# KiCad board cm4-baseboard.kicad_pcb
title: CM4 Baseboard; date: 2026-01-05; rev: 1.1.1; company: Antmicro Ltd; note: www.antmicro.com
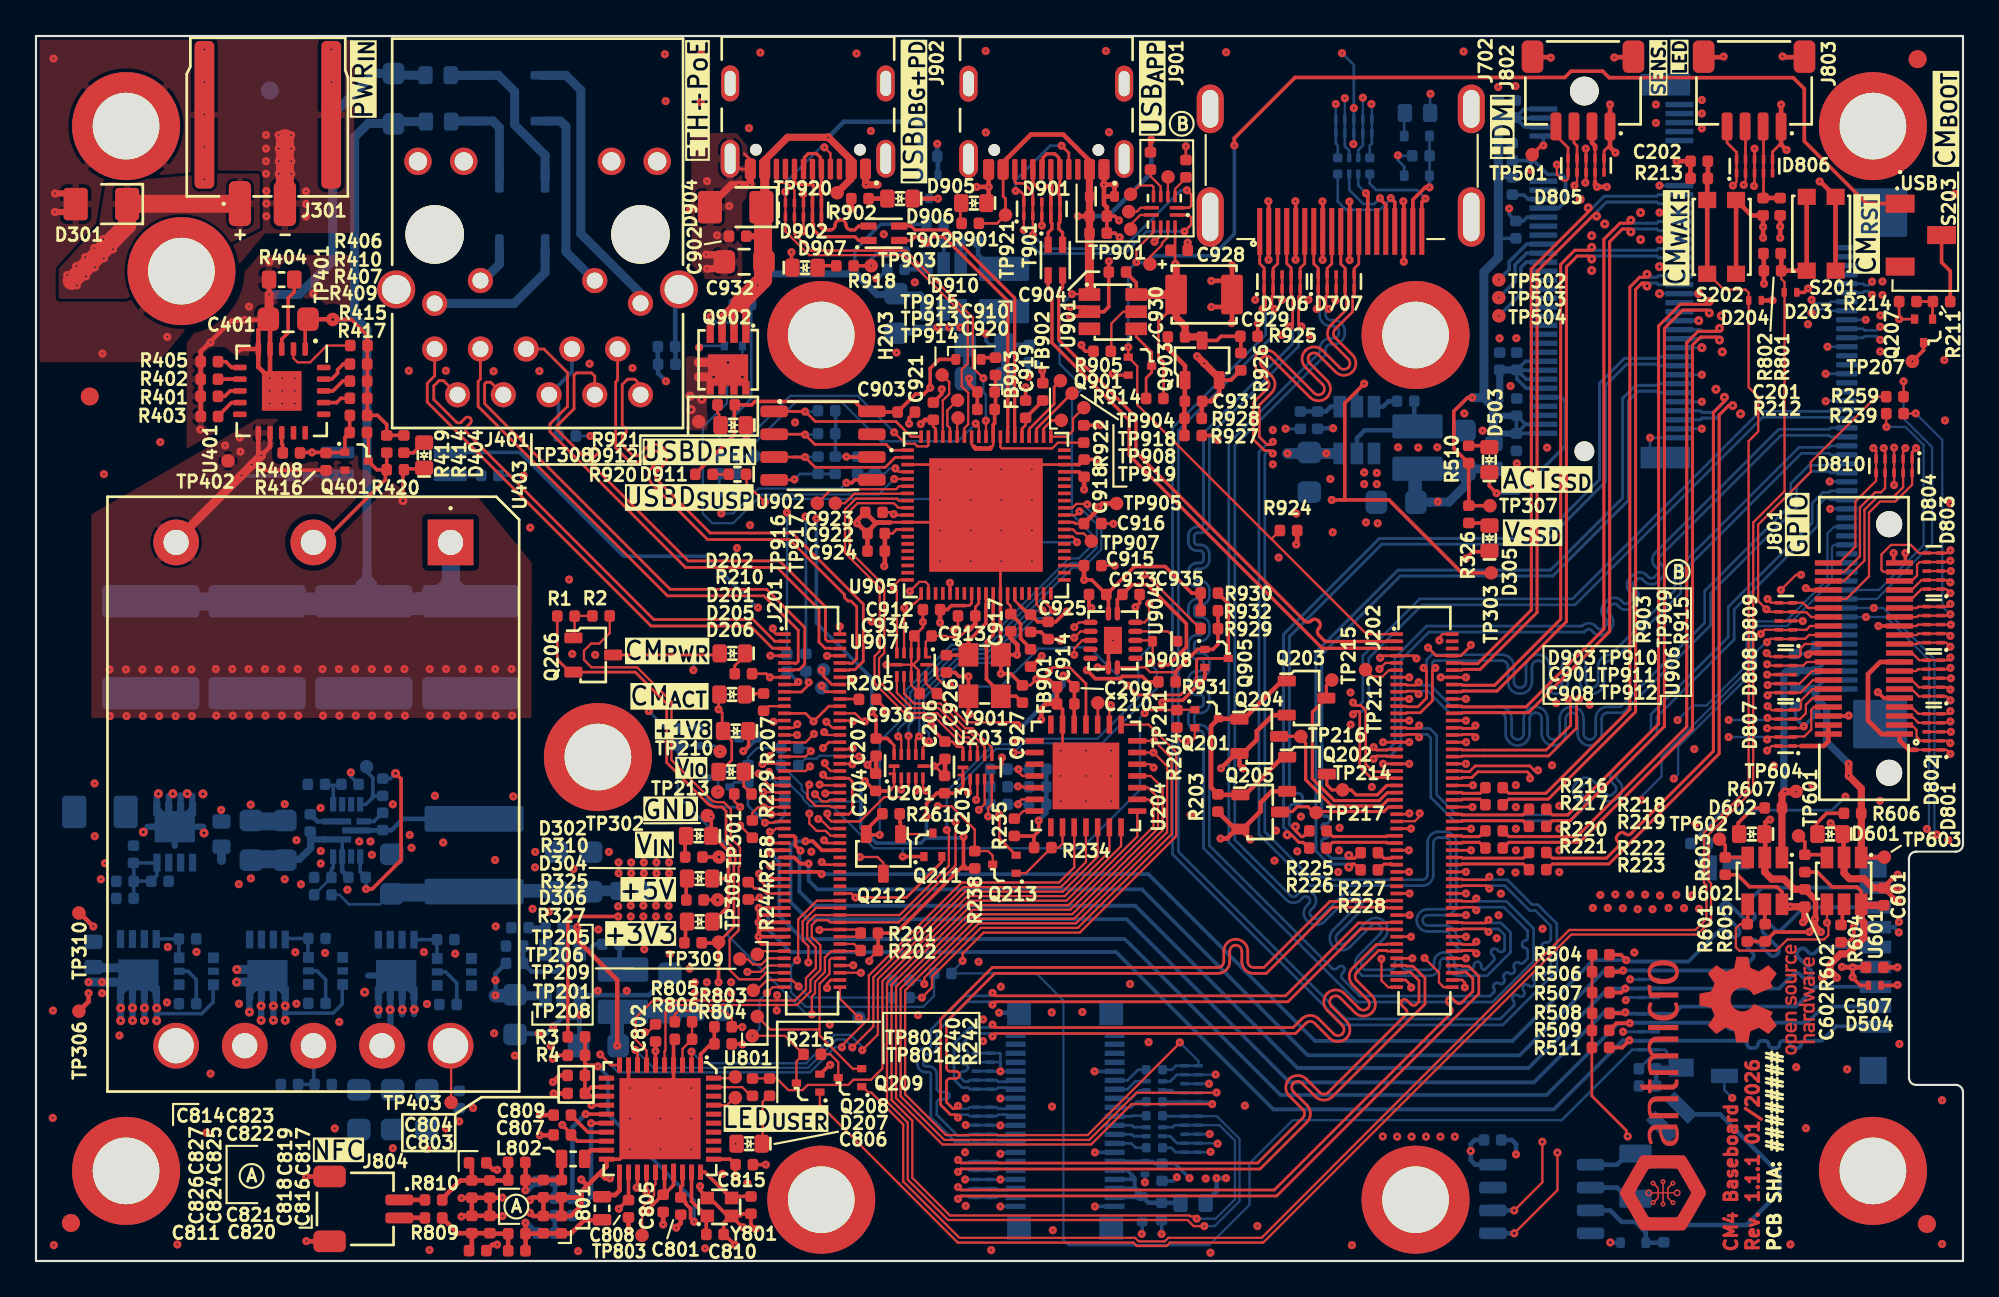
[diagram p0: board, top side]
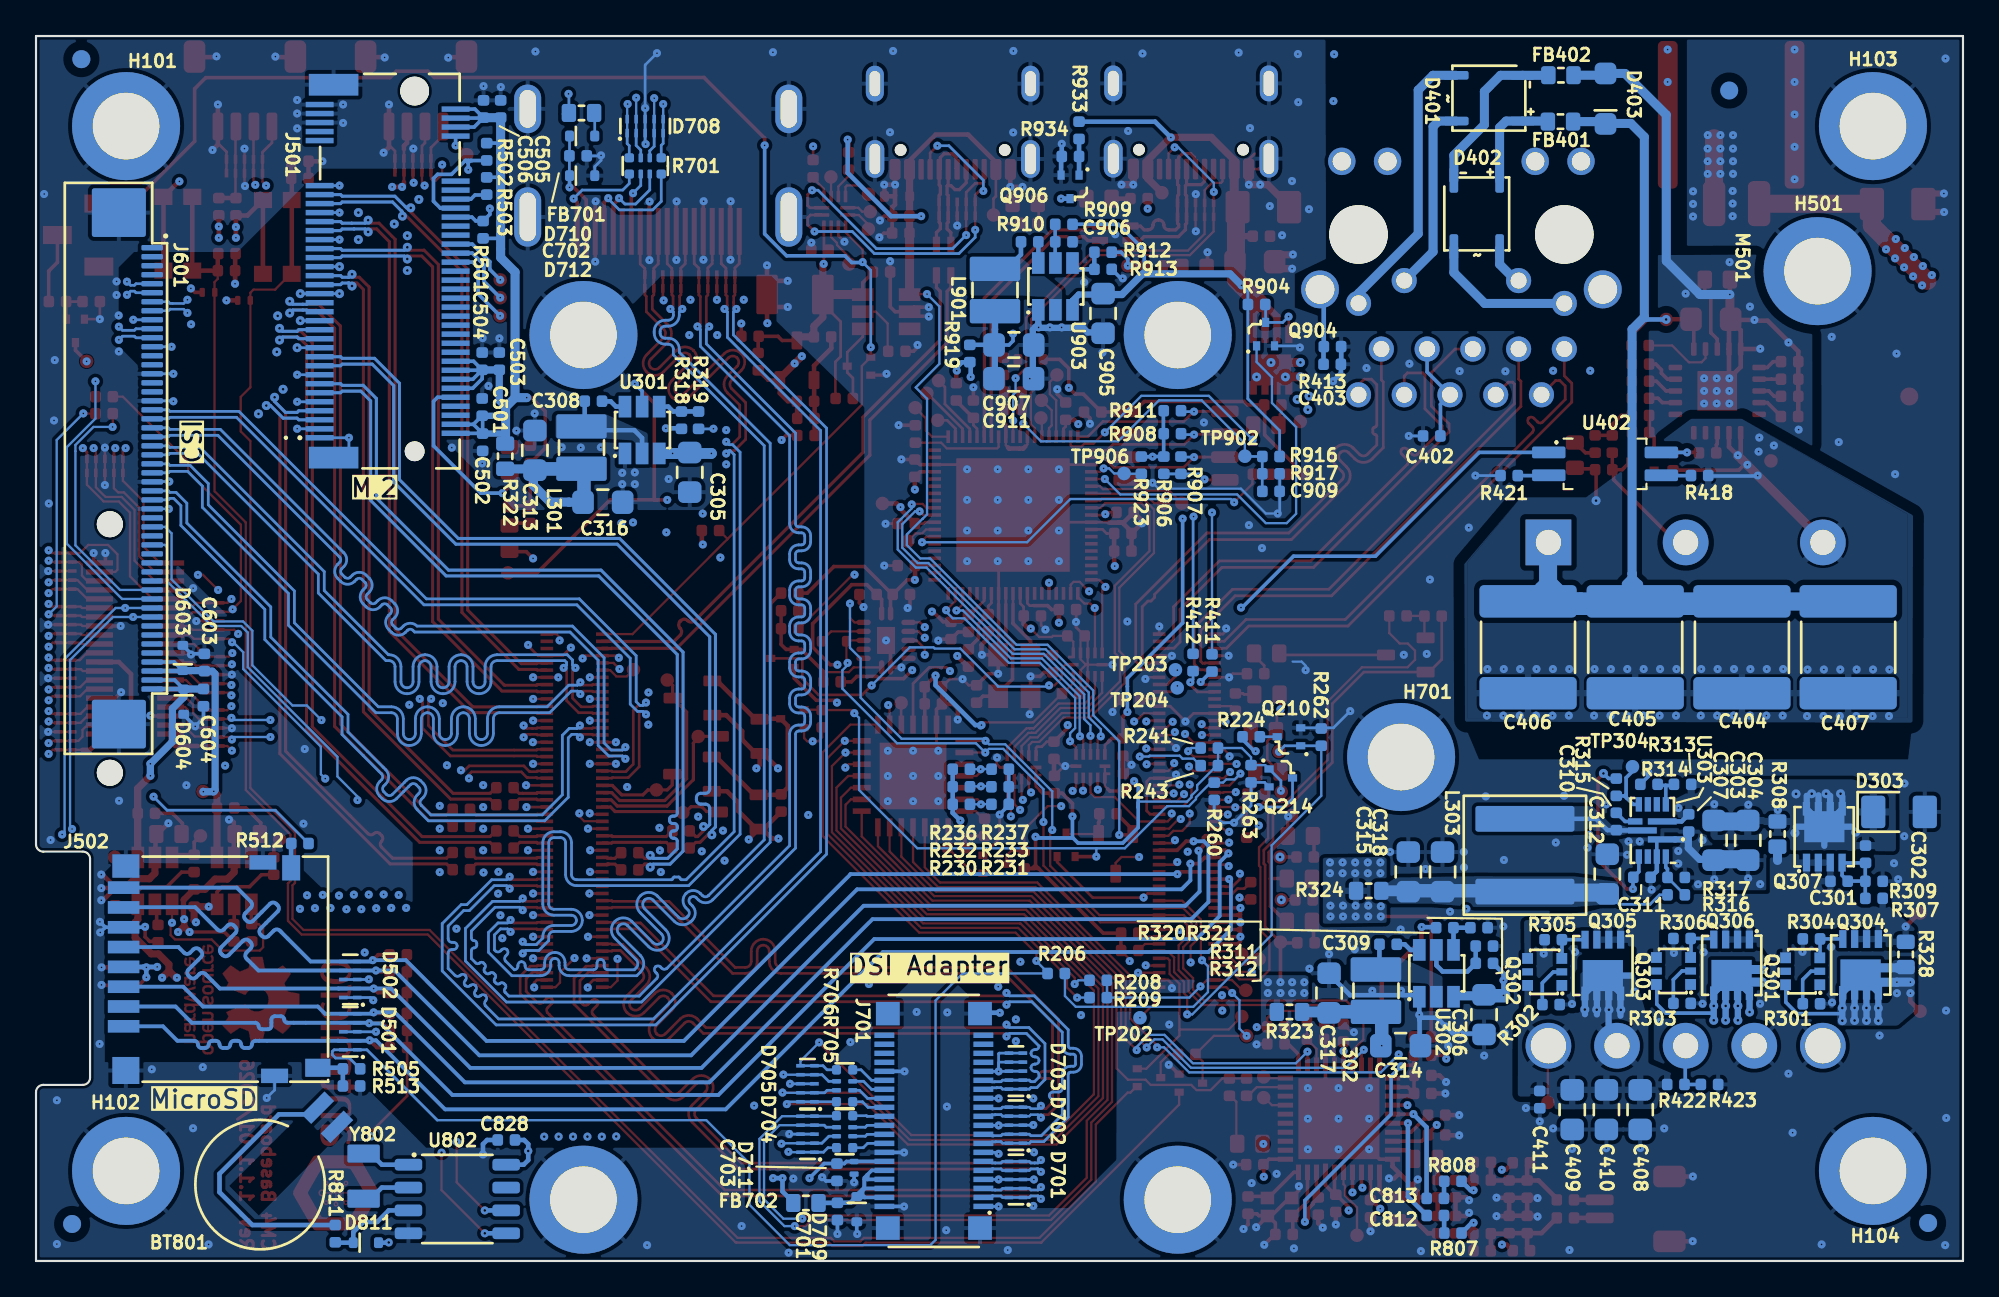
[diagram p1: board, bottom side, seen from below]

Outline 107 x 68 mm; copper layers: Top, In1.Cu (plane), In2.Cu (plane), In3.Cu, In4.Cu, Bottom. Coordinates in mm from the lower left corner of the outline.
Outline path: 0,68 107,68 107,23.12 arc(106.88,22.84) 106.6,22.72 104.4,22.72 arc(104.12,22.61) 104,22.32 104,10.17 arc(104.12,9.89) 104.4,9.78 106.6,9.78 arc(106.88,9.66) 107,9.38 107,0 0,0 0,68
Stack: Top 0.035mm / dielectric 0.12mm PR2116 er 4.2 / In1.Cu 0.035mm / dielectric 0.51mm FR4-Improved er 4.5 / In2.Cu 0.035mm / dielectric 0.07mm PR1080 er 4.2 / dielectric 0.07mm PR1080 er 4.2 / In3.Cu 0.035mm / dielectric 0.51mm FR4-Improved er 4.5 / In4.Cu 0.035mm / dielectric 0.12mm PR2116 er 4.2 / Bottom 0.035mm

## Placement (name value [footprint] x y rotation side)
BT801  Battery_Holder_MS621FE-FL11E  [MS621FE-FL11E]  93.68 5.12 225 bottom
C201  C_100n_0402  [C_0402_1005Metric]  96.4 55.92 0 top
C202  C_100n_0402  [C_0402_1005Metric]  92.35 61.05 0 top
C203  C_100n_0402  [C_0402_1005Metric]  50.45 26.45 270 top
C204  C_100n_0402  [C_0402_1005Metric]  46.62 26.57 270 top
C206  C_100n_0402  [C_0402_1005Metric]  50.47 28.35 90 top
C207  C_100n_0402  [C_0402_1005Metric]  46.65 28.53 90 top
C209  C_10u_0402  [C_0402_1005Metric]  57.17 31.88 0 top
C210  C_100n_0402  [C_0402_1005Metric]  57.17 30.92 0 top
C301  C_1u_25V_0402  [C_0402_1005Metric]  6.88 21.08 0 bottom
C302  C_100n_0402  [C_0402_1005Metric]  5.41 22.58 90 bottom
C303  C_22u_25V_0805  [C_0805_2012Metric]  13.82 23.35 270 bottom
C304  C_22u_25V_0805  [C_0805_2012Metric]  11.95 23.35 270 bottom
C305  C_22u_25V_0805  [C_0805_2012Metric]  70.7 43.78 270 bottom
C306  C_22u_25V_0805  [C_0805_2012Metric]  26.59 13.67 270 bottom
C307  C_100n_0402  [C_0402_1005Metric]  15.23 24.32 270 bottom
C308  C_100n_0402  [C_0402_1005Metric]  76.05 47.73 180 bottom
C309  C_100n_0402  [C_0402_1005Metric]  31.92 17.58 180 bottom
C310  C_100n_0402  [C_0402_1005Metric]  19.25 24.4 90 bottom
C311  C_1u_0402  [C_0402_1005Metric]  17.82 21.3 0 bottom
C312  C_22u_25V_0805  [C_0805_2012Metric]  19.75 21.48 90 bottom
C313  C_22u_25V_0805  [C_0805_2012Metric]  79.3 45 90 bottom
C314  C_22u_25V_0805  [C_0805_2012Metric]  31.22 11.95 180 bottom
C315  C_22u_25V_0805  [C_0805_2012Metric]  30.8 21.6 90 bottom
C316  C_22u_25V_0805  [C_0805_2012Metric]  75.52 42.12 180 bottom
C317  C_22u_25V_0805  [C_0805_2012Metric]  35.2 14.88 90 bottom
C318  C_22u_25V_0805  [C_0805_2012Metric]  28.9 21.6 90 bottom
C401  C_100n_100V_0805  [C_0805_2012Metric]  14 52.28 0 top
C402  C_10n_0402  [C_0402_1005Metric]  29.5 45.8 0 bottom
C403  C_100n_0402  [C_0402_1005Metric]  35.02 49.78 180 bottom
C404  C_22u_100V_2220  [C_2220_5650Metric]  12.27 34.07 90 bottom
C405  C_22u_100V_2220  [C_2220_5650Metric]  18.2 34.07 90 bottom
C406  C_22u_100V_2220  [C_2220_5650Metric]  24.15 34.07 90 bottom
C407  C_22u_100V_2220  [C_2220_5650Metric]  6.38 34.07 90 bottom
C408  C_22u_25V_0805  [C_0805_2012Metric]  17.92 8.4 270 bottom
C409  C_22u_25V_0805  [C_0805_2012Metric]  21.7 8.4 270 bottom
C410  C_22u_25V_0805  [C_0805_2012Metric]  19.8 8.4 270 bottom
C411  C_100n_0402  [C_0402_1005Metric]  23.5 8.96 270 bottom
C501  C_10u_0402  [C_0402_1005Metric]  82.22 47.4 270 bottom
C502  C_1u_0402  [C_0402_1005Metric]  82.2 45.45 90 bottom
C503  C_10u_0402  [C_0402_1005Metric]  81.27 49.95 270 bottom
C504  C_1u_0402  [C_0402_1005Metric]  82.22 49.95 270 bottom
C505  C_10u_0402  [C_0402_1005Metric]  81.2 63.95 270 bottom
C506  C_1u_0402  [C_0402_1005Metric]  82.15 63.95 270 bottom
C507  C_1u_0402  [C_0402_1005Metric]  102.1 16.3 180 top
C601  C_100n_0402  [C_0402_1005Metric]  102.6 20.22 90 top
C602  C_100n_0402  [C_0402_1005Metric]  98.22 20.15 90 top
C603  C_1u_0402  [C_0402_1005Metric]  97.65 33.22 270 bottom
C604  C_1u_0402  [C_0402_1005Metric]  97.7 31.28 90 bottom
C701  C_10u_0402  [C_0402_1005Metric]  62.5 2.75 90 bottom
C702  C_10u_0402  [C_0402_1005Metric]  76.9 61.35 0 bottom
C703  C_10u_0402  [C_0402_1005Metric]  62.52 4.92 90 bottom
C801  C_4u7_0402  [C_0402_1005Metric]  35.8 3.05 90 top
C802  C_1u_0402  [C_0402_1005Metric]  34.4 12.66 270 top
C803  C_4u7_0402  [C_0402_1005Metric]  30 9.3 0 top
C804  C_100n_0402  [C_0402_1005Metric]  30 10.3 180 top
C805  C_2u2_0402  [C_0402_1005Metric]  34.83 3.2 270 top
C806  C_2u2_0402  [C_0402_1005Metric]  39.33 5.35 0 top
C807  C_2u2_0402  [C_0402_1005Metric]  29.22 7 180 top
C808  C_2u2_0402  [C_0402_1005Metric]  32.9 2.9 270 top
C809  C_100n_0402  [C_0402_1005Metric]  29.22 8.1 180 top
C810  C_10p_0402  [C_0402_1005Metric]  37.7 1.47 180 top
C811  C_12p_0402  [C_0402_1005Metric]  24.52 0.57 180 top
C812  C_1n_0402  [C_0402_1005Metric]  29.3 2.53 180 bottom
C813  C_1n_0402  [C_0402_1005Metric]  29.3 3.47 180 bottom
C814  C_12p_0402  [C_0402_1005Metric]  24.52 5.45 180 top
C815  C_10p_0402  [C_0402_1005Metric]  39.7 3.1 90 top
C816  C_template_name_0402  [C_0402_1005Metric]  29.17 2.02 270 top  (not fitted)
C817  C_template_name_0402  [C_0402_1005Metric]  29.17 4.02 270 top  (not fitted)
C818  C_470p_100V_0402  [C_0402_1005Metric]  28.17 2.02 270 top
C819  C_470p_100V_0402  [C_0402_1005Metric]  28.17 4.02 270 top
C820  C_template_name_0402  [C_0402_1005Metric]  26.7 0.57 0 top  (not fitted)
C821  C_36p_0402  [C_0402_1005Metric]  26.7 1.52 180 top
C822  C_36p_0402  [C_0402_1005Metric]  26.7 4.49 180 top
C823  C_template_name_0402  [C_0402_1005Metric]  26.69 5.47 0 top  (not fitted)
C824  C_39p_0402  [C_0402_1005Metric]  25.2 2.03 270 top
C825  C_39p_0402  [C_0402_1005Metric]  25.2 3.99 270 top
C826  C_template_name_0402  [C_0402_1005Metric]  24.2 2.03 270 top  (not fitted)
C827  C_template_name_0402  [C_0402_1005Metric]  24.2 3.99 270 top  (not fitted)
C828  C_100n_0402  [C_0402_1005Metric]  80.88 6.72 0 bottom
C901  C_100n_0402  [C_0402_1005Metric]  58.98 58 0 top
C902  C_100n_0402  [C_0402_1005Metric]  38.96 56.89 0 top
C903  C_100n_0402  [C_0402_1005Metric]  48.33 47.12 0 top
C904  C_100n_0402  [C_0402_1005Metric]  60.05 54.9 180 top
C905  C_22u_25V_0805  [C_0805_2012Metric]  47.75 52.6 270 bottom
C906  C_100n_0402  [C_0402_1005Metric]  51.83 56.58 180 bottom
C907  C_22u_25V_0805  [C_0805_2012Metric]  52.7 50.85 180 bottom
C908  C_10u_0402  [C_0402_1005Metric]  58.98 57.06 180 top
C909  C_100n_0402  [C_0402_1005Metric]  38.42 42.72 180 bottom
C910  C_100n_0402  [C_0402_1005Metric]  52.75 48.24 180 top
C911  C_22u_25V_0805  [C_0805_2012Metric]  52.71 48.98 180 bottom
C912  C_100n_0402  [C_0402_1005Metric]  49.72 36.16 180 top
C913  C_100n_0402  [C_0402_1005Metric]  51.67 35.81 180 top
C914  C_100n_0402  [C_0402_1005Metric]  55.22 35.4 270 top
C915  C_100n_0402  [C_0402_1005Metric]  58.67 38.6 0 top
C916  C_100n_0402  [C_0402_1005Metric]  58.67 40.93 0 top
C917  C_100n_0402  [C_0402_1005Metric]  54.12 35.43 270 top
C918  C_100n_0402  [C_0402_1005Metric]  58.2 44.01 90 top
C919  C_100n_0402  [C_0402_1005Metric]  54.95 47.28 90 top
C920  C_100n_0402  [C_0402_1005Metric]  52.75 47.27 180 top
C921  C_100n_0402  [C_0402_1005Metric]  49.83 47.17 90 top
C922  C_100n_0402  [C_0402_1005Metric]  46.65 40.38 180 top
C923  C_100n_0402  [C_0402_1005Metric]  46.52 41.56 180 top
C924  C_4u7_0402  [C_0402_1005Metric]  46.65 39.41 0 top
C925  C_4u7_0402  [C_0402_1005Metric]  56.2 35 270 top
C926  C_18p_0402  [C_0402_1005Metric]  50.55 33.15 270 top
C927  C_18p_0402  [C_0402_1005Metric]  54.77 31.47 90 top
C928  C_100n_0402  [C_0402_1005Metric]  63.47 56.11 0 top
C929  C_Pol_330u_6.3V_KEMET-T520-B  [C_Pol_EIA-B]  64.86 53.65 0 top
C930  C_100n_0402  [C_0402_1005Metric]  63.33 51.3 0 top
C931  C_1u_25V_0402  [C_0402_1005Metric]  64.27 47.72 0 top
C932  C_22u_25V_0805  [C_0805_2012Metric]  39.32 55.47 180 top
C933  C_100n_0402  [C_0402_1005Metric]  58.95 37 0 top
C934  C_100n_0402  [C_0402_1005Metric]  49.25 34.7 0 top
C935  C_100n_0402  [C_0402_1005Metric]  60.8 37 180 top
C936  C_100n_0402  [C_0402_1005Metric]  49.55 31.5 0 top
D201  LED_G_0603_KP-1608CGCK  [LED_0603_1608Metric_G]  38.65 31.45 180 top
D202  LED_G_0603_KP-1608CGCK  [LED_0603_1608Metric_G]  38.67 33.73 180 top
D203  TPD1E0B04_XDFN-2  [XDFN-2_1x0.60mm]  97.42 53.77 180 top
D204  TPD1E0B04_XDFN-2  [XDFN-2_1x0.60mm]  95.45 53.33 180 top
D205  LED_G_0603_KP-1608CGCK  [LED_0603_1608Metric_G]  38.85 29.42 180 top
D206  LED_G_0603_KP-1608CGCK  [LED_0603_1608Metric_G]  38.6 27.16 180 top
D207  LED_G_0603_KP-1608CGCK  [LED_0603_1608Metric_G]  39.6 6.51 180 top  (not fitted)
D301  SMF4L15A  [SOD-123FL]  3.63 58.67 180 top
D302  LED_G_0603_KP-1608CGCK  [LED_0603_1608Metric_G]  36.8 23.59 180 top
D303  SMF4L15A  [SOD-123FL]  3.55 24.93 180 bottom
D304  LED_G_0603_KP-1608CGCK  [LED_0603_1608Metric_G]  36.85 21.23 180 top
D305  LED_G_0603_KP-1608CGCK  [LED_0603_1608Metric_G]  80.71 40.12 90 top
D306  LED_G_0603_KP-1608CGCK  [LED_0603_1608Metric_G]  36.85 18.84 180 top
D401  CD-MMBL110S  [DFN3538]  26.3 64.55 270 bottom
D402  CD-MMBL110S  [DFN3538]  27 58.15 180 bottom
D403  PTVS58VS1UR,115  [D_SOD-123F]  19.85 64.52 90 bottom
D404  LED_G_0603_KP-1608CGCK  [LED_0603_1608Metric_G]  21.55 44.73 90 top
D501  PUSB3F96X_PASS  [Nexperia_DFN-10_2.5x1mm_P0.5mm]  89.55 12.72 90 bottom
D502  PUSB3F96X_PASS  [Nexperia_DFN-10_2.5x1mm_P0.5mm]  89.55 15.62 90 bottom
D503  LED_G_0603_KP-1608CGCK  [LED_0603_1608Metric_G]  80.7 44.47 90 top
D504  TPD1E0B04_XDFN-2  [XDFN-2_1x0.60mm]  102.1 15.3 180 top
D601  LED_G_0603_KP-1608CGCK  [LED_0603_1608Metric_G]  99.62 23.7 180 top
D602  LED_G_0603_KP-1608CGCK  [LED_0603_1608Metric_G]  95.27 23.7 180 top
D603  PESD5Z5_0F  [SOD-523]  98.85 33.47 90 bottom
D604  PESD5Z5_0F  [SOD-523]  98.8 31.05 270 bottom
D701  PUSB3F96X_PASS  [Nexperia_DFN-10_2.5x1mm_P0.5mm]  52.59 4.53 90 bottom
D702  PUSB3F96X_PASS  [Nexperia_DFN-10_2.5x1mm_P0.5mm]  52.59 7.54 90 bottom
D703  PUSB3F96X_PASS  [Nexperia_DFN-10_2.5x1mm_P0.5mm]  52.59 10.54 90 bottom
D704  PUSB3F96X_PASS  [Nexperia_DFN-10_2.5x1mm_P0.5mm]  64.16 7.04 90 bottom
D705  PUSB3F96X_PASS  [Nexperia_DFN-10_2.5x1mm_P0.5mm]  64.16 9.84 90 bottom
D706  PUSB3F96X_PASS  [Nexperia_DFN-10_2.5x1mm_P0.5mm]  69.19 54.37 0 top
D707  PUSB3F96X_PASS  [Nexperia_DFN-10_2.5x1mm_P0.5mm]  72.19 54.38 0 top
D708  PUSB3F96X_PASS  [Nexperia_DFN-10_2.5x1mm_P0.5mm]  73.17 63 180 bottom
D709  PESD5Z5_0F  [SOD-523]  61.42 2.88 270 bottom
D710  RB521S30T1G  [SOD-523]  76.67 62.45 180 bottom
D711  TPD1E0B04_XDFN-2  [XDFN-2_1x0.60mm]  61.58 5.17 90 bottom
D712  PESD5Z5_0F  [SOD-523]  76.67 60.25 180 bottom
D801  PUSB3F96X_PASS  [Nexperia_DFN-10_2.5x1mm_P0.5mm]  105.37 29.38 90 top
D802  PUSB3F96X_PASS  [Nexperia_DFN-10_2.5x1mm_P0.5mm]  105.37 32.35 90 top
D803  PUSB3F96X_PASS  [Nexperia_DFN-10_2.5x1mm_P0.5mm]  105.37 35.32 90 top
D804  PUSB3F96X_PASS  [Nexperia_DFN-10_2.5x1mm_P0.5mm]  105.37 38.3 90 top
D805  PUSB3F96X_PASS  [Nexperia_DFN-10_2.5x1mm_P0.5mm]  86.07 60.82 0 top
D806  PUSB3F96X_PASS  [Nexperia_DFN-10_2.5x1mm_P0.5mm]  95.42 60.77 0 top
D807  PUSB3F96X_PASS  [Nexperia_DFN-10_2.5x1mm_P0.5mm]  97.15 29.59 90 top
D808  PUSB3F96X_PASS  [Nexperia_DFN-10_2.5x1mm_P0.5mm]  97.15 32.55 90 top
D809  PUSB3F96X_PASS  [Nexperia_DFN-10_2.5x1mm_P0.5mm]  97.16 35.54 90 top
D810  PUSB3F96X_PASS  [Nexperia_DFN-10_2.5x1mm_P0.5mm]  103.17 44.14 180 top
D811  RB521S30T1G  [SOD-523]  88.68 1.02 180 bottom
D901  PUSB3F96X_PASS  [Nexperia_DFN-10_2.5x1mm_P0.5mm]  55.85 58.41 0 top
D902  PUSB3F96X_PASS  [Nexperia_DFN-10_2.5x1mm_P0.5mm]  42.61 58.35 0 top
D903  PESD5Z5_0F  [SOD-523]  59.19 59.1 0 top
D904  SMF4L15A  [SOD-123FL]  38.85 58.5 180 top
D905  LED_G_0603_KP-1608CGCK  [LED_0603_1608Metric_G]  52.08 58.72 180 top
D906  LED_G_0603_KP-1608CGCK  [LED_0603_1608Metric_G]  47.97 58.97 180 top
D907  LED_G_0603_KP-1608CGCK  [LED_0603_1608Metric_G]  42.7 55.14 0 top
D908  RB521S30T1G  [SOD-523]  62.7 34.4 180 top
D910  RB521S30T1G  [SOD-523]  51.77 50.05 180 top
D911  LED_Y_0402_VLMY1500-GS08  [LED_0402_1005Metric_Y]  38.95 43.67 180 top
D912  LED_G_0603_KP-1608CGCK  [LED_0603_1608Metric_G]  38.71 46.4 180 top
FB401  FB_220Z_2.2A_TDK-MPZ_0603  [FB_0603_1608Metric]  22.35 63.25 180 bottom
FB402  FB_220Z_2.2A_TDK-MPZ_0603  [FB_0603_1608Metric]  22.32 65.83 180 bottom
FB701  FB_220Z_2.2A_TDK-MPZ_0603  [FB_0603_1608Metric]  76.71 63.73 180 bottom
FB702  FB_220Z_2.2A_TDK-MPZ_0603  [FB_0603_1608Metric]  64.25 3.22 180 bottom
FB901  FB_120Z_1.3A_Murata-BLM15PD_0402  [FB_0402_1005Metric]  55.22 33.47 90 top
FB902  FB_120Z_1.3A_Murata-BLM15PD_0402  [FB_0402_1005Metric]  55.9 48.25 270 top
FB903  FB_120Z_1.3A_Murata-BLM15PD_0402  [FB_0402_1005Metric]  53.27 49.66 270 top
H101  -  [Spacer_Drill3.7mm_H6mm_9774060151R]  102 63 180 bottom
H102  -  [Spacer_Drill3.7mm_H6mm_9774060151R]  102 5 180 bottom
H103  -  [Spacer_Drill3.7mm_H6mm_9774060151R]  5 63 0 bottom
H104  -  [Spacer_Drill3.7mm_H6mm_9774060151R]  5 5 0 bottom
H201  -  [Spacer_Drill3.7mm_H3mm_9774030151R]  76.6 3.4 90 top
H202  -  [Spacer_Drill3.7mm_H3mm_9774030151R]  43.6 3.4 270 top
H203  -  [Spacer_Drill3.7mm_H3mm_9774030151R]  43.6 51.4 90 top
H204  -  [Spacer_Drill3.7mm_H3mm_9774030151R]  76.6 51.4 0 top
H501  -  [Spacer_Drill3.7mm_H2.5mm_9774025151R]  8.07 54.95 0 bottom
H701  -  [Spacer_Drill3.7mm_H2mm_9774020151R]  31.2 27.97 180 bottom
J201  Socket_Hirose_DF40_2x50_DF40HC-3.0-100DS-0.4V  [Conn_Socket_Hirose_DF40_2x50_DF40HC-3.0-100DS-0.4V]  43.1 25 270 top
J202  Socket_Hirose_DF40_2x50_DF40HC-3.0-100DS-0.4V  [Conn_Socket_Hirose_DF40_2x50_DF40HC-3.0-100DS-0.4V]  77.1 25 270 top
J301  Molex_Nano-Fit_1x2_SMD_1054301202  [Conn_Molex_Nano-Fit_1x2_SMD_1054301202]  12.85 63.6 180 top
J401  Bus_RJ45_5-2337992-8  [RJ45_X-2337992-8_Horizontal]  33.57 48.09 180 top
J501  Bus_M.2_1-2199230-6  [Bus_M.2_Socket_Key_M_TE_1-2199230-6]  87.47 54.95 90 bottom
J502  MicroSD_1140084168  [MicroSD_Amphenol_1140084168]  96.88 16.15 270 bottom
J601  Conn_FFC_WE_68715014522  [Conn_FFC_WE_68715014x22]  102.7 44 270 bottom
J701  Socket_Molex_SlimStack_2x20_543630489  [Conn_Socket_Molex_SlimStack_2x20_543630489]  57.15 7.78 90 bottom
J702  HDMI-A_WE_685119134923  [HDMI-A_Receptacle_WE_685119134923]  72.5 62.38 0 top
J801  Socket_Samtec_ERF5_2x20_ERF5-020-05.0-L-DV-K-TR  [Conn_Socket_Samtec_ERF5_2x20_ERF5-020-05.0-L-DV-K-TR]  101.5 34 90 top
J802  JST_SH_1x4_SM04B-SRSS-TB-LF-SN  [Conn_JST_SH_1x4_SM04B-SRSS-TB-LF-SN]  85.9 65.1 180 top
J803  JST_SH_1x4_SM04B-SRSS-TB-LF-SN  [Conn_JST_SH_1x4_SM04B-SRSS-TB-LF-SN]  95.4 65.1 180 top
J804  JST_SH_1x2_SM02B-SRSS-TB-LF-SN  [Conn_JST_SH_1x2_SM02B-SRSS-TB-LF-SN]  18.2 2.89 270 top
J901  USB-C_GCT_USB4105-GF-A  [USB-C_Receptacle_GCT_USB4105-GF-A]  56.1 64.1 180 top
J902  USB-C_GCT_USB4105-GF-A  [USB-C_Receptacle_GCT_USB4105-GF-A]  42.86 64.11 180 top
L301  L_1u_5.5A_Bourns-SRP3212A  [L_Bourns-SRP3212A]  76.71 45.16 270 bottom
L302  L_1u_5.5A_Bourns-SRP3212A  [L_Bourns-SRP3212A]  32.59 15 270 bottom
L303  L_1u8_14A_Coilcraft-XAL6030  [L_Coilcraft-XAL6030]  24.32 22.53 270 bottom
L801  L_160n_0.28A_0603  [L_TE_0603_1811Metric]  31.43 2.93 270 top
L802  L_160n_0.28A_0603  [L_TE_0603_1811Metric]  29.82 5.67 180 top
L901  L_1u_5.5A_Bourns-SRP3212A  [L_Bourns-SRP3212A]  53.75 53.9 270 bottom
M201  -  [Compute-Module-4_H1.5mm]  39.54 21.96 90 top  (not fitted)
M501  -  [Mech_M2_2280_H2.5mm]  8.07 54.95 270 bottom  (not fitted)
Q201  PJE138K  [SOT-523]  65 30.1 270 top
Q202  SSM3J332R  [SOT-23-3]  70.58 27.02 0 top
Q203  SSM3J332R  [SOT-23-3]  70.55 31.25 0 top
Q204  SSM3J332R  [SOT-23-3]  67.92 29.12 0 top
Q205  SSM3J332R  [SOT-23-3]  67.97 24.92 0 top
Q206  SSM3J332R  [SOT-23-3]  30.94 33.64 0 top
Q207  PJE138K  [SOT-523]  104.81 51.63 180 top
Q208  PJE138K  [SOT-523]  42.88 9.88 90 top
Q209  PJE138K  [SOT-523]  45.2 10.17 90 top
Q210  PJE138K  [SOT-523]  37.42 29.1 90 bottom
Q211  PJE138K  [SOT-523]  49.8 23.1 0 top
Q212  SSM3J332R  [SOT-23-3]  47.05 22.6 270 top
Q213  PJE138K  [SOT-523]  53.77 22.03 90 top
Q214  PJE138K  [SOT-523]  37.88 26.82 270 bottom
Q301  DZDH0401DW  [SOT-363]  8.9 16.09 0 bottom
Q302  DZDH0401DW  [SOT-363]  23.22 16.05 0 bottom
Q303  DZDH0401DW  [SOT-363]  16.07 16.1 0 bottom
Q304  SQS401EN-T1_BE3  [Vishay_PowerPAK_1212-8_Single]  5.68 16.44 270 bottom
Q305  SQS401EN-T1_BE3  [Vishay_PowerPAK_1212-8_Single]  20 16.4 270 bottom
Q306  SQS401EN-T1_BE3  [Vishay_PowerPAK_1212-8_Single]  12.85 16.41 270 bottom
Q307  SQS401EN-T1_BE3  [Vishay_PowerPAK_1212-8_Single]  7.7 23.55 90 bottom
Q401  PJE138K  [SOT-523]  17.8 44.4 270 top
Q901  PJE138K  [SOT-523]  61.3 49.67 270 top
Q902  SQS401EN-T1_BE3  [Vishay_PowerPAK_1212-8_Single]  38.42 50.03 270 top
Q903  SSM3J332R  [SOT-23-3]  64.75 50 90 top
Q904  PJE138K  [SOT-523]  38.72 51.45 180 bottom
Q905  PJE138K  [SOT-523]  65.55 33.45 270 top
Q906  PJE138K  [SOT-523]  49.58 59.63 0 bottom
R1  R_100k_0402  [R_0402_1005Metric]  29.42 35.8 180 top
R2  R_0R_0402  [R_0402_1005Metric]  31.38 35.81 180 top
R3  R_0R_0402  [R_0402_1005Metric]  30.01 12.44 180 top
R4  R_0R_0402  [R_0402_1005Metric]  30.01 11.42 180 top  (not fitted)
R201  R_0R_0402  [R_0402_1005Metric]  46.27 18.2 180 top
R202  R_0R_0402  [R_0402_1005Metric]  46.27 17.23 180 top  (not fitted)
R203  R_100k_0402  [R_0402_1005Metric]  65.62 25.42 90 top
R204  R_100k_0402  [R_0402_1005Metric]  63.35 30.1 90 top
R205  R_0R_0402  [R_0402_1005Metric]  46.17 31.17 180 top  (not fitted)
R206  R_0R_0402  [R_0402_1005Metric]  50.35 15.96 0 bottom  (not fitted)
R207  R_1k_0402  [R_0402_1005Metric]  40.4 31.03 90 top
R208  R_0R_0402  [R_0402_1005Metric]  48.02 15.58 0 bottom  (not fitted)
R209  R_0R_0402  [R_0402_1005Metric]  48.02 14.62 0 bottom  (not fitted)
R210  R_470R_0402  [R_0402_1005Metric]  39.28 32.6 180 top
R211  R_470R_0402  [R_0402_1005Metric]  105.81 53.26 180 top
R212  R_100k_0402  [R_0402_1005Metric]  96.42 54.97 0 top
R213  R_100k_0402  [R_0402_1005Metric]  92.35 60.1 0 top
R214  R_100k_0402  [R_0402_1005Metric]  103.93 53.26 180 top
R215  R_2k2_0402  [R_0402_1005Metric]  43.1 11.47 180 top
R216  R_0R_0402  [R_0402_1005Metric]  80.96 26.28 180 top
R217  R_0R_0402  [R_0402_1005Metric]  80.96 25.32 180 top
R218  R_0R_0402  [R_0402_1005Metric]  83.38 25.07 180 top
R219  R_0R_0402  [R_0402_1005Metric]  83.38 24.12 180 top
R220  R_0R_0402  [R_0402_1005Metric]  80.96 23.88 180 top
R221  R_0R_0402  [R_0402_1005Metric]  80.96 22.92 180 top
R222  R_0R_0402  [R_0402_1005Metric]  83.38 22.67 180 top
R223  R_0R_0402  [R_0402_1005Metric]  83.38 21.72 180 top
R224  R_1k_0402  [R_0402_1005Metric]  39.52 29.1 0 bottom
R225  R_0R_0402  [R_0402_1005Metric]  71.18 23.88 180 top
R226  R_0R_0402  [R_0402_1005Metric]  71.18 22.92 180 top
R227  R_0R_0402  [R_0402_1005Metric]  74.03 22.66 180 top
R228  R_0R_0402  [R_0402_1005Metric]  74.03 21.72 180 top
R229  R_1k_0402  [R_0402_1005Metric]  39.25 25.92 0 top
R230  R_10k_0402  [R_0402_1005Metric]  55.62 25.35 0 bottom  (not fitted)
R231  R_10k_0402  [R_0402_1005Metric]  53.47 25.35 0 bottom
R232  R_10k_0402  [R_0402_1005Metric]  55.62 26.32 0 bottom  (not fitted)
R233  R_10k_0402  [R_0402_1005Metric]  53.47 26.32 0 bottom
R234  R_10k_0402  [R_0402_1005Metric]  55.9 22.95 180 top
R235  R_10k_0402  [R_0402_1005Metric]  54.33 24.07 270 top
R236  R_10k_0402  [R_0402_1005Metric]  55.62 27.3 0 bottom  (not fitted)
R237  R_10k_0402  [R_0402_1005Metric]  53.46 27.3 0 bottom
R238  R_10k_0402  [R_0402_1005Metric]  52.12 22.28 90 top
R239  R_0R_0402  [R_0402_1005Metric]  103.22 47.04 180 top
R240  R_0R_0402  [R_0402_1005Metric]  39.78 9.65 270 top
R241  R_2k2_0402  [R_0402_1005Metric]  41.85 28.47 180 bottom
R242  R_200R_0402  [R_0402_1005Metric]  40.73 9.65 270 top  (not fitted)
R243  R_2k2_0402  [R_0402_1005Metric]  41.85 27.5 180 bottom
R244  R_0R_0402  [R_0402_1005Metric]  39.55 20.55 90 top  (not fitted)
R258  R_0R_0402  [R_0402_1005Metric]  39.77 23.97 90 top
R259  R_0R_0402  [R_0402_1005Metric]  103.21 47.98 0 top
R260  R_100k_0402  [R_0402_1005Metric]  41.58 26.07 90 bottom
R261  R_100k_0402  [R_0402_1005Metric]  47.47 24.82 180 top
R262  R_100k_0402  [R_0402_1005Metric]  35.63 29.08 270 bottom